# KiCad board AmigaPCI Mainboard.kicad_pcb
title: AmigaPCI; date: 2024-08-01; rev: 4.0
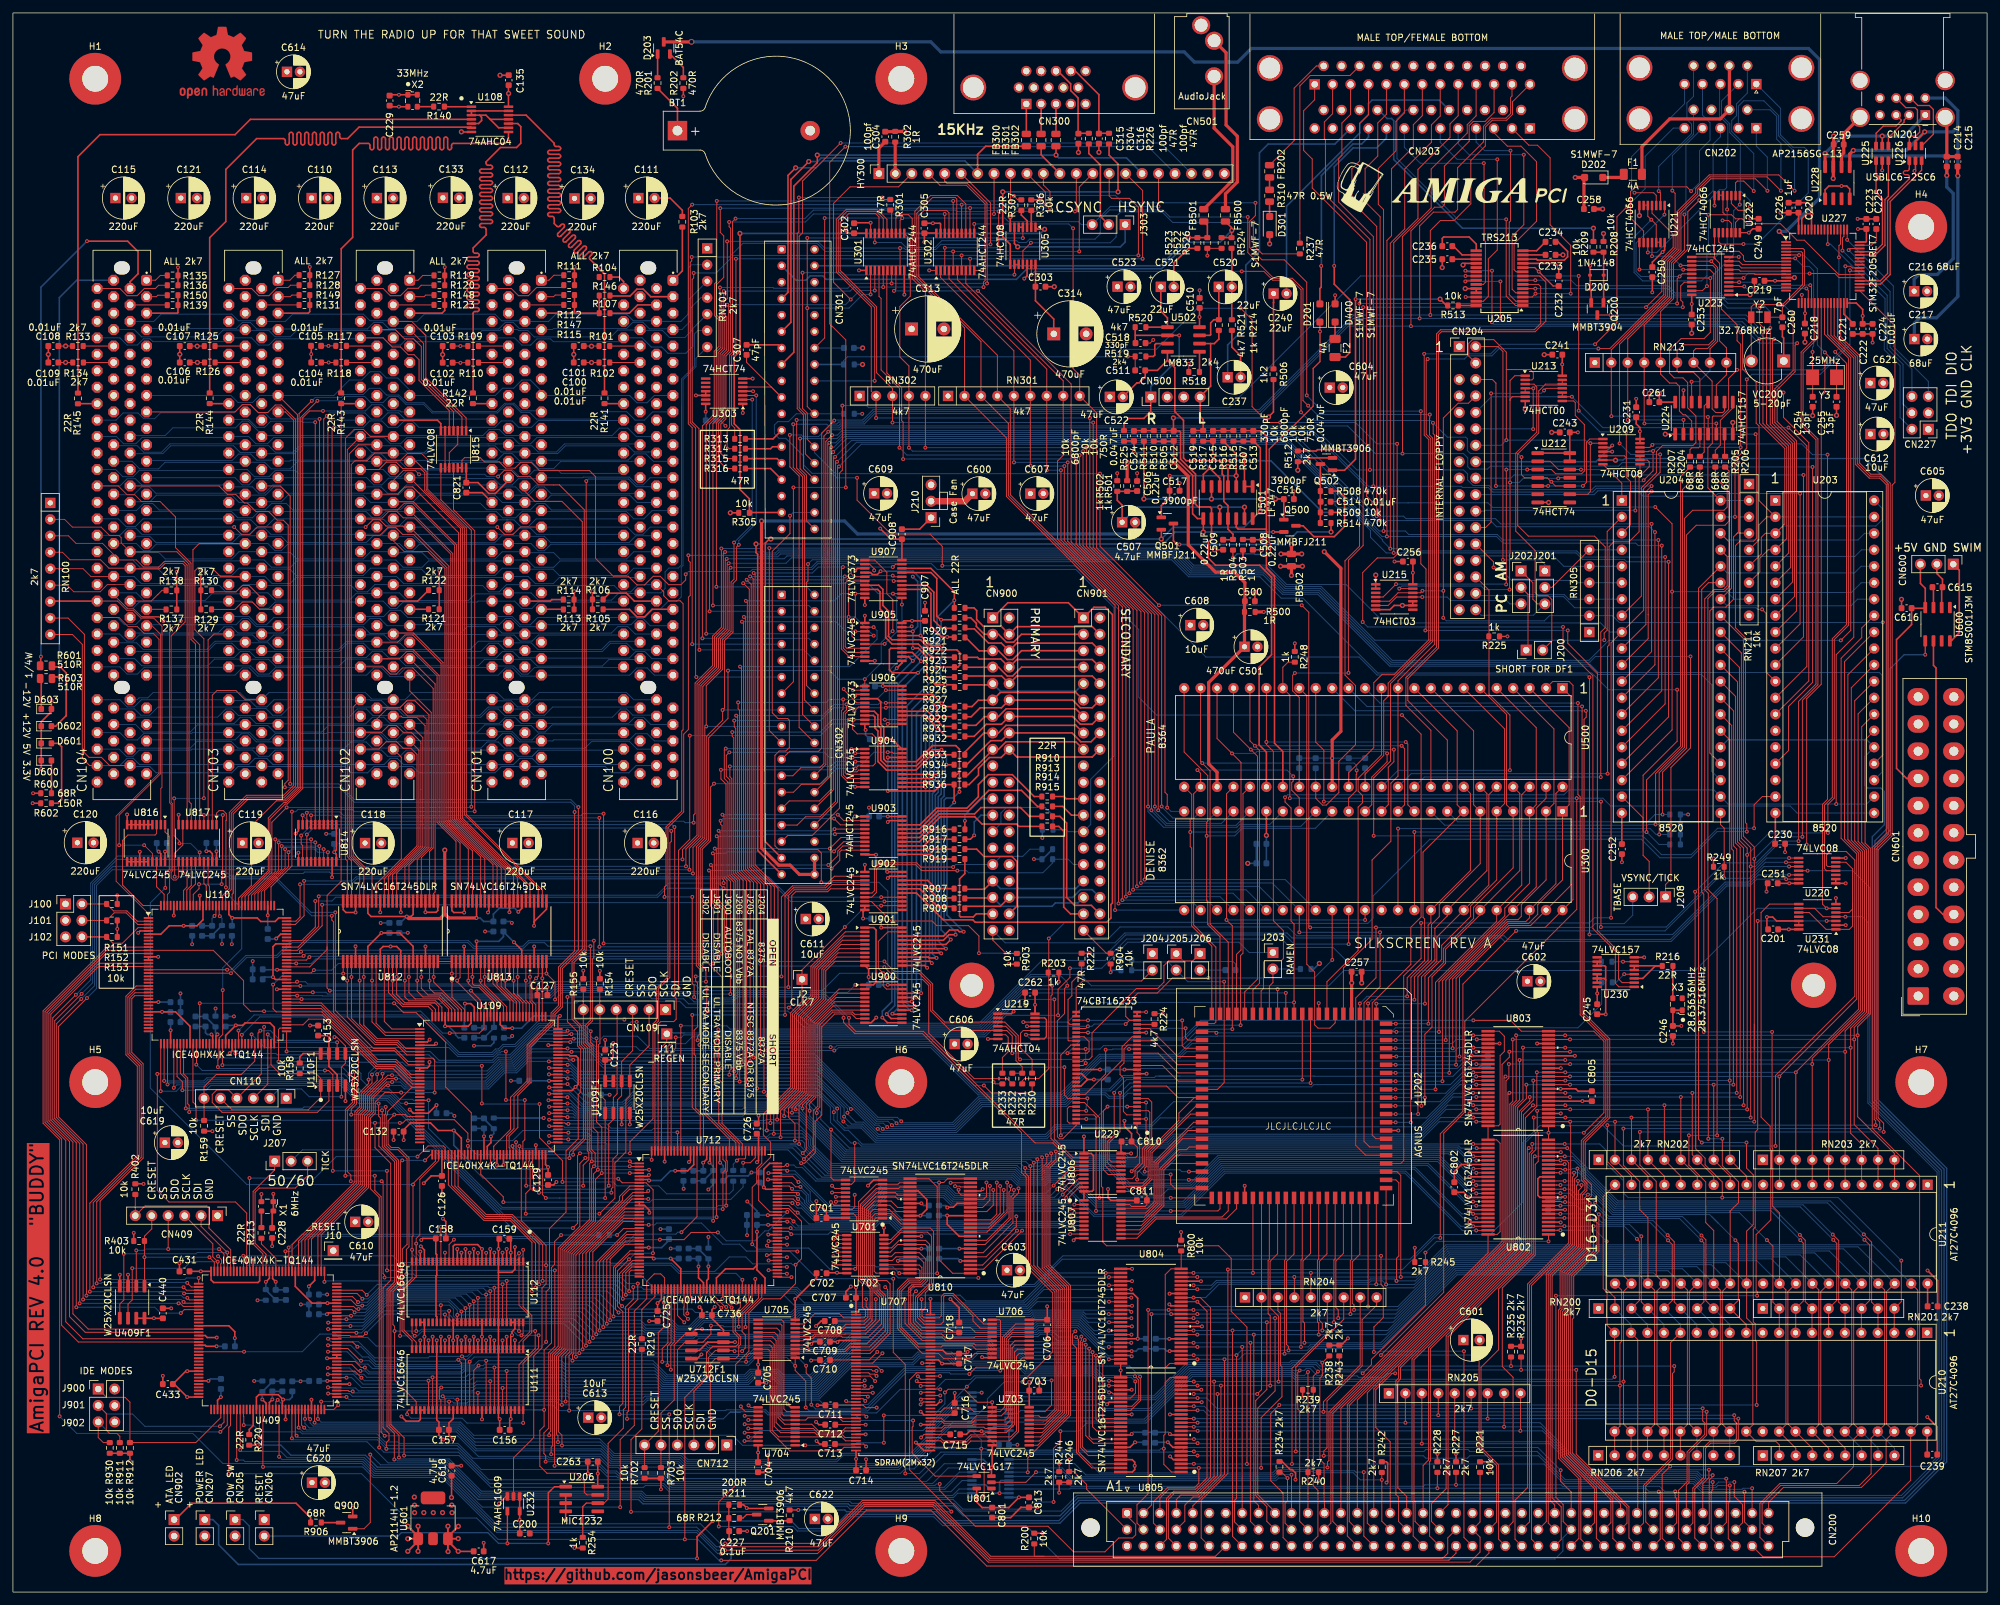
[diagram p0: board, top side]
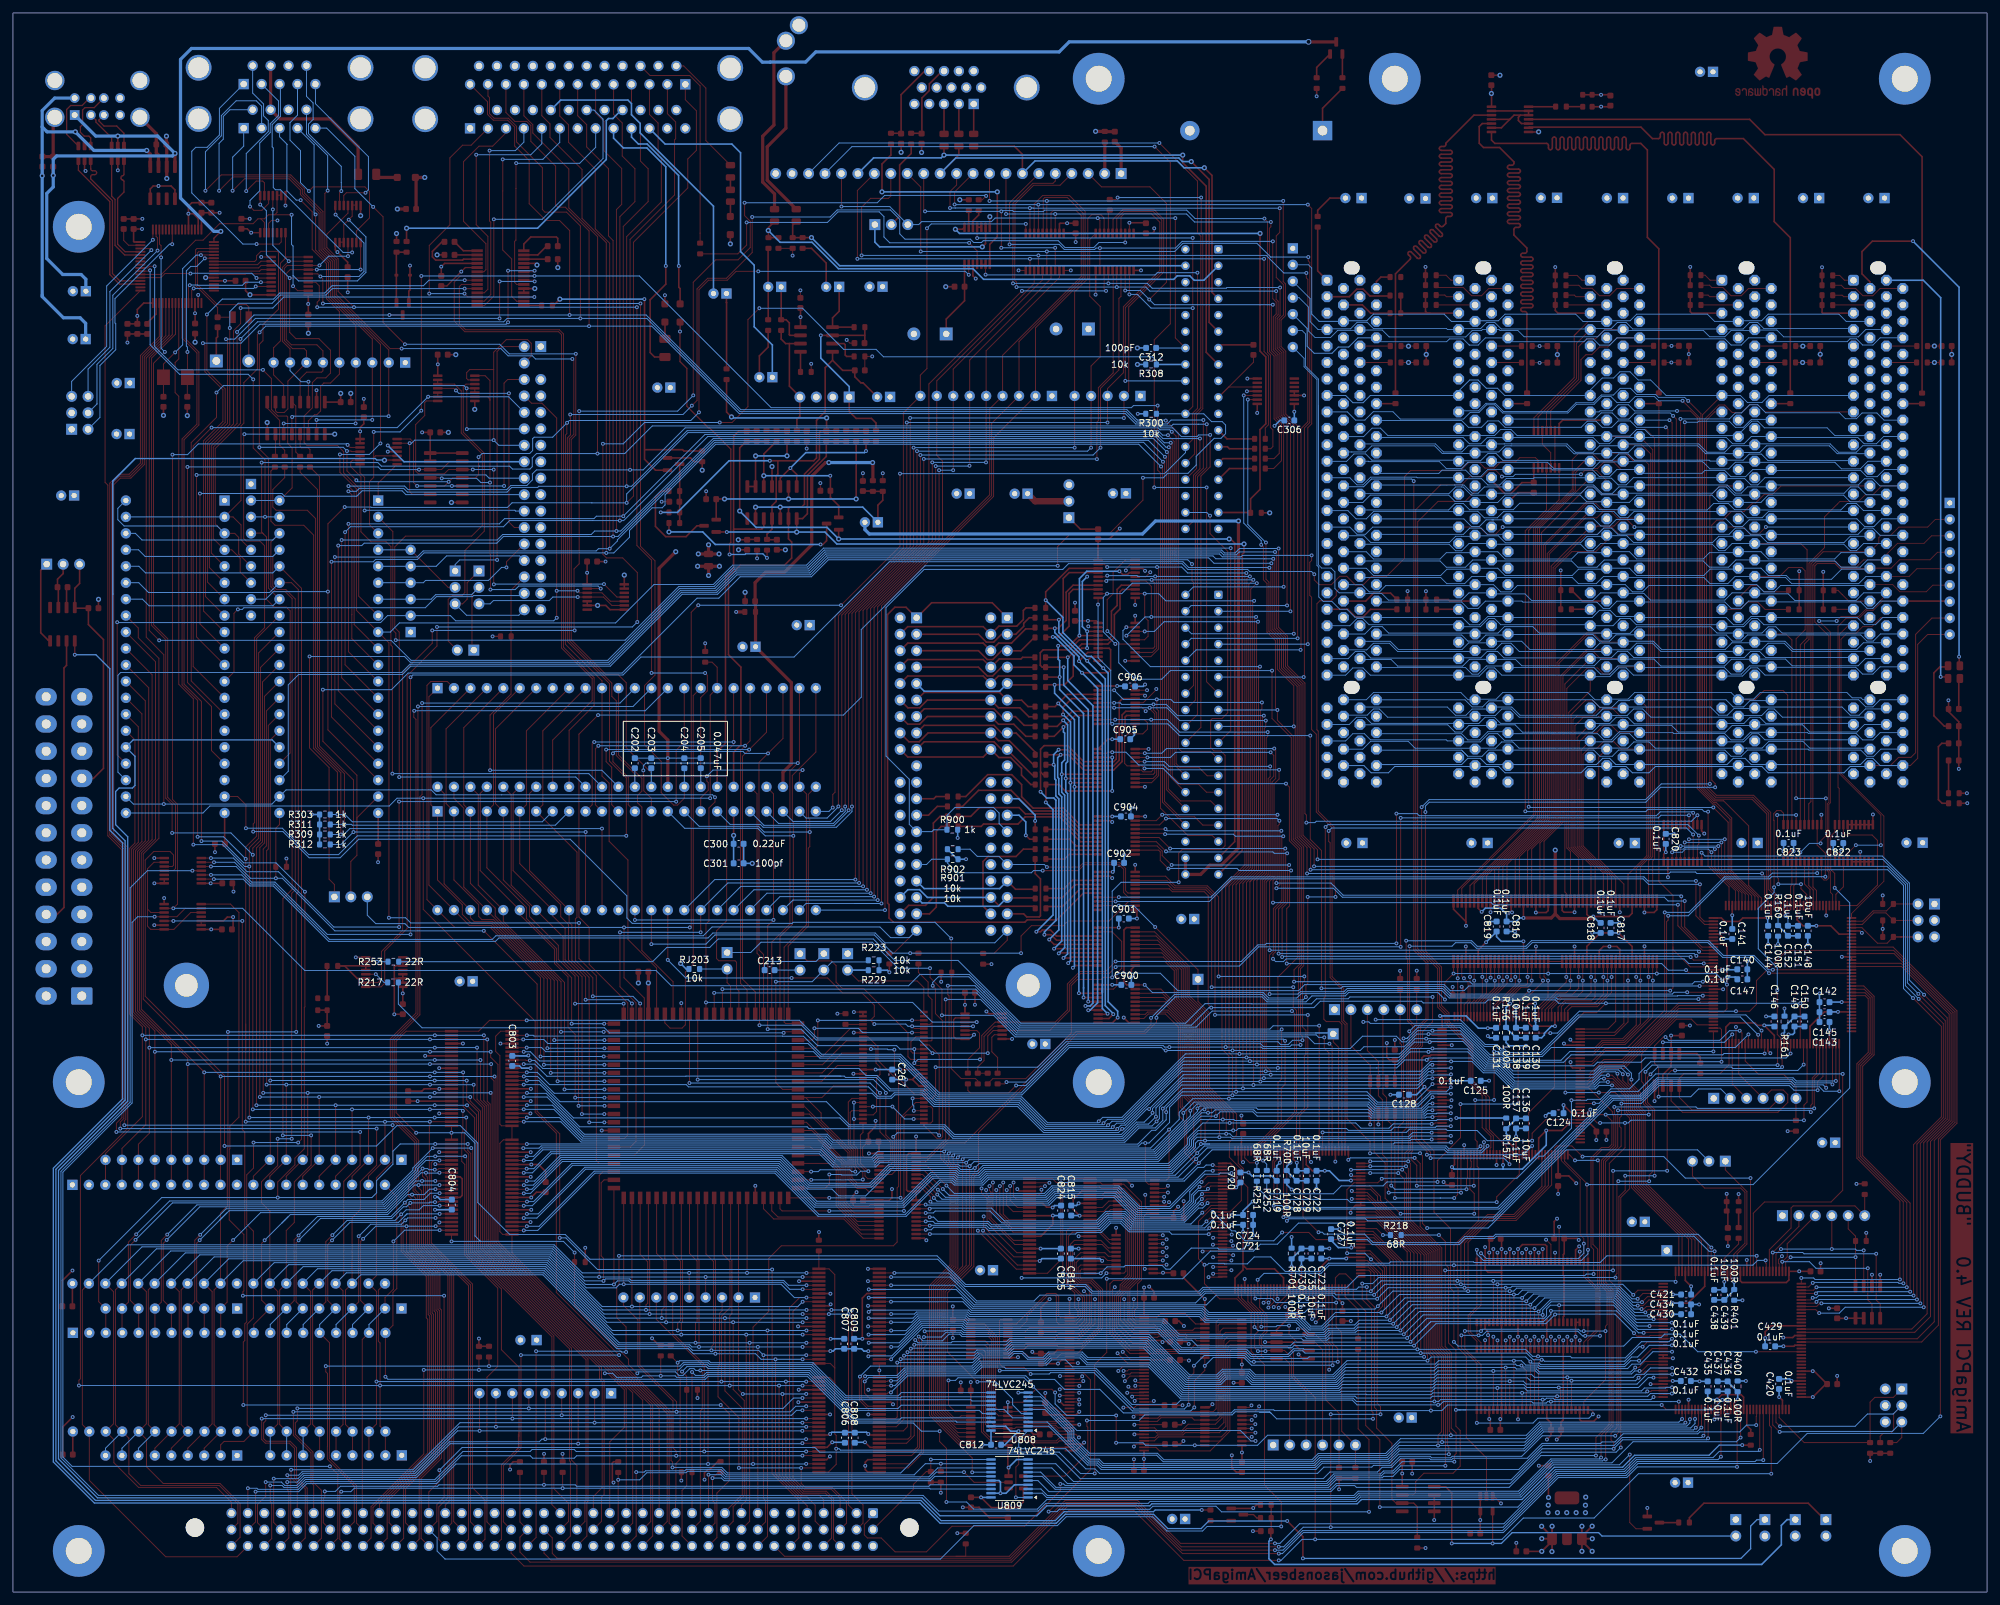
[diagram p1: board, bottom side, seen from below]

Outline 304.8 x 243.84 mm; copper layers: Top, In1.Cu, In2.Cu, In3.Cu, In4.Cu, Bottom. Coordinates in mm from the lower left corner of the outline.
Outline path: rectangle 0,243.84 304.8,0
Stack: Top 0.035mm / dielectric 0.0994mm FR4 er 4.5 / In1.Cu 0.0152mm / dielectric 0.55mm FR4 er 4.5 / In2.Cu 0.0152mm / dielectric 0.1088mm FR4 er 4.5 / In3.Cu 0.0152mm / dielectric 0.55mm FR4 er 4.5 / In4.Cu 0.0152mm / dielectric 0.0994mm FR4 er 4.5 / Bottom 0.035mm

## Placement (name value [footprint] x y rotation side)
BT1  Battery_Cell  [BatteryHolder_Keystone_103_1x20mm]  102.6 225.67 0 top
C100  0.01uF  [C_0603_1608Metric]  87.36 189.86 180 top
C101  0.01uF  [C_0603_1608Metric]  87.36 192.41 180 top
C102  0.01uF  [C_0603_1608Metric]  67.12 189.84 180 top
C103  0.01uF  [C_0603_1608Metric]  67.12 192.41 180 top
C104  0.01uF  [C_0603_1608Metric]  46.83 189.86 180 top
C105  0.01uF  [C_0603_1608Metric]  46.8 192.43 180 top
C106  0.01uF  [C_0603_1608Metric]  26.53 189.86 180 top
C107  0.01uF  [C_0603_1608Metric]  26.53 192.41 180 top
C108  0.01uF  [C_0603_1608Metric]  6.24 192.41 180 top
C109  0.01uF  [C_0603_1608Metric]  6.24 189.86 180 top
C110  220uF  [CP_Radial_D6.3mm_P2.50mm]  46.1 215.25 0 top
C111  220uF  [CP_Radial_D6.3mm_P2.50mm]  96.57 215.25 0 top
C112  220uF  [CP_Radial_D6.3mm_P2.50mm]  76.38 215.25 0 top
C113  220uF  [CP_Radial_D6.3mm_P2.50mm]  56.2 215.25 0 top
C114  220uF  [CP_Radial_D6.3mm_P2.50mm]  36.01 215.25 0 top
C115  220uF  [CP_Radial_D6.3mm_P2.50mm]  15.82 215.25 0 top
C116  220uF  [CP_Radial_D6.3mm_P2.50mm]  96.44 115.67 0 top
C117  220uF  [CP_Radial_D6.3mm_P2.50mm]  77.11 115.67 0 top
C118  220uF  [CP_Radial_D6.3mm_P2.50mm]  54.37 115.66 0 top
C119  220uF  [CP_Radial_D6.3mm_P2.50mm]  35.42 115.67 0 top
C120  220uF  [CP_Radial_D6.3mm_P2.50mm]  9.94 115.71 0 top
C121  220uF  [CP_Radial_D6.3mm_P2.50mm]  25.92 215.25 0 top
C123  0.1uF  [C_0603_1608Metric]  91.44 82.95 270 top
C124  0.1uF  [C_0603_1608Metric]  66.16 73.94 0 bottom
C125  0.1uF  [C_0603_1608Metric]  78.94 78.94 180 bottom
C126  0.1uF  [C_0603_1608Metric]  66.23 63.49 270 top
C127  0.1uF  [C_0603_1608Metric]  81.74 92.18 0 top
C128  0.1uF  [C_0603_1608Metric]  90.03 76.8 0 bottom
C129  0.1uF  [C_0603_1608Metric]  82.62 63.63 270 top
C130  0.1uF  [C_0603_1608Metric]  69.69 86.36 270 bottom
C131  0.1uF  [C_0603_1608Metric]  75.81 86.35 270 bottom
C132  0.1uF  [C_0603_1608Metric]  59.54 71.1 180 top
C133  220uF  [CP_Radial_D6.3mm_P2.50mm]  66.39 215.3 0 top
C134  220uF  [CP_Radial_D6.3mm_P2.50mm]  86.71 215.2 0 top
C135  0.1uF  [C_0603_1608Metric]  76.54 233.46 90 top
C136  10uF  [C_0603_1608Metric]  71.2 72.37 270 bottom
C137  0.1uF  [C_0603_1608Metric]  72.72 72.37 270 bottom
C138  10uF  [C_0603_1608Metric]  72.73 86.36 90 bottom
C139  0.1uF  [C_0603_1608Metric]  71.21 86.36 90 bottom
C140  0.1uF  [C_0603_1608Metric]  37.79 96.16 180 bottom
C141  0.1uF  [C_0603_1608Metric]  39.34 101.61 270 bottom
C142  0.1uF  [C_0603_1608Metric]  25.09 91.09 0 bottom
C143  0.1uF  [C_0603_1608Metric]  25.09 88.02 0 bottom
C144  0.1uF  [C_0603_1608Metric]  33.8 102.1 270 bottom
C145  0.1uF  [C_0603_1608Metric]  25.09 89.55 0 bottom
C146  0.1uF  [C_0603_1608Metric]  32.83 88.1 90 bottom
C147  0.1uF  [C_0603_1608Metric]  37.78 94.62 180 bottom
C148  0.1uF  [C_0603_1608Metric]  27.67 102.1 270 bottom
C149  10uF  [C_0603_1608Metric]  29.73 88.1 270 bottom
C150  0.1uF  [C_0603_1608Metric]  28.19 88.1 270 bottom
C151  10uF  [C_0603_1608Metric]  29.2 102.1 90 bottom
C152  0.1uF  [C_0603_1608Metric]  30.74 102.1 90 bottom
C153  0.1uF  [C_0603_1608Metric]  47.12 86.7 270 top
C156  0.1uF  [C_0603_1608Metric]  75.93 25.04 0 top
C157  0.1uF  [C_0603_1608Metric]  66.54 25.05 0 top
C158  0.1uF  [C_0603_1608Metric]  66.06 54.61 0 top
C159  0.1uF  [C_0603_1608Metric]  75.87 54.56 0 top
C200  0.1uF  [C_0603_1608Metric]  79.03 9.05 0 top
C201  0.1uF  [C_0603_1608Metric]  271.76 102.33 180 top
C202  0.047uF  [C_0603_1608Metric]  208.78 127.99 90 bottom
C203  0.047uF  [C_0603_1608Metric]  206.25 127.99 90 bottom
C204  0.047uF  [C_0603_1608Metric]  201.14 127.98 90 bottom
C205  0.047uF  [C_0603_1608Metric]  198.6 128 90 bottom
C213  0.1uF  [C_0603_1608Metric]  187.98 96.04 180 bottom
C214  0.1uF  [C_0603_1608Metric]  298.59 220.88 90 top
C215  0.1uF  [C_0603_1608Metric]  300.25 220.89 90 top
C216  68uF  [CP_Radial_D5.0mm_P2.00mm]  293.54 200.87 0 top
C217  68uF  [CP_Radial_D5.0mm_P2.00mm]  293.57 193.48 0 top
C218  0.1uF  [C_0603_1608Metric]  276.68 195.1 270 top
C219  0.1uF  [C_0603_1608Metric]  269.67 202.48 180 top
C220  0.1uF  [C_0603_1608Metric]  275.69 213.76 90 top
C221  0.1uF  [C_0603_1608Metric]  285.6 195.05 270 top
C222  0.1uF  [C_0603_1608Metric]  284.06 195.04 270 top
C223  0.1uF  [C_0603_1608Metric]  287.7 211.25 90 top
C224  0.01uF  [C_0603_1608Metric]  287.12 195.05 270 top
C225  0.1uF  [C_0603_1608Metric]  286.17 211.25 270 top
C226  1uF  [C_0603_1608Metric]  274.17 213.76 270 top
C227  0.1uF  [C_0603_1608Metric]  111.35 9.41 0 top
C228  0.1uF  [C_0603_1608Metric]  40.02 55.45 270 top
C229  0.1uF  [C_0603_1608Metric]  58.16 230.3 270 top
C230  0.1uF  [C_0603_1608Metric]  272.84 115.54 0 top
C231  0.1uF  [C_0603_1608Metric]  250.62 182.2 90 top
C232  0.1uF  [C_0603_1608Metric]  238.67 202.45 270 top
C233  0.1uF  [C_0603_1608Metric]  237.4 206.48 0 top
C234  0.1uF  [C_0603_1608Metric]  237.4 208.49 180 top
C235  0.1uF  [C_0603_1608Metric]  221.46 205.82 180 top
C236  0.1uF  [C_0603_1608Metric]  221.46 207.83 180 top
C237  22uF  [CP_Radial_D5.0mm_P2.00mm]  187.55 187.59 0 top
C238  0.1uF  [C_0603_1608Metric]  296.39 44.12 0 top
C239  0.1uF  [C_0603_1608Metric]  296.33 21.23 0 top
C240  22uF  [CP_Radial_D5.0mm_P2.00mm]  194.64 200.51 0 top
C241  0.1uF  [C_0603_1608Metric]  238.45 191.07 0 top
C243  0.1uF  [C_0603_1608Metric]  239.6 179.07 0 top
C245  0.1uF  [C_0603_1608Metric]  244.6 90 270 top
C246  0.1uF  [C_0603_1608Metric]  256.3 86.64 270 top
C249  0.1uF  [C_0603_1608Metric]  269.53 211.28 90 top
C250  0.1uF  [C_0603_1608Metric]  253.12 203.82 270 top
C251  0.1uF  [C_0603_1608Metric]  271.7 109.45 180 top
C252  0.1uF  [C_0603_1608Metric]  248.42 114.73 90 top
C253  0.1uF  [C_0603_1608Metric]  259.2 196.49 270 top
C254  13pF  [C_0603_1608Metric]  277.88 183.79 270 top
C255  13pF  [C_0603_1608Metric]  281.56 183.79 270 top
C256  0.1uF  [C_0603_1608Metric]  215.38 159.13 0 top
C257  0.1uF  [C_0603_1608Metric]  207.46 95.79 0 top
C258  0.1uF  [C_0603_1608Metric]  243.33 213.56 0 top
C259  0.1uF  [C_0603_1608Metric]  281.89 223.53 0 top
C260  7pF  [C_0603_1608Metric]  273.2 196.07 270 top
C261  0.1uF  [C_0603_1608Metric]  253.43 183.75 0 top
C262  0.1uF  [C_0603_1608Metric]  157.04 92.56 180 top
C263  0.1uF  [C_0603_1608Metric]  89.53 20.12 180 top
C267  0.1uF  [C_0603_1608Metric]  169.04 79.91 270 bottom
C300  0.22uF  [C_0603_1608Metric]  192.75 115.54 180 bottom
C301  100pf  [C_0603_1608Metric]  192.75 112.53 180 bottom
C302  0.1uF  [C_0603_1608Metric]  129.87 210.59 90 top
C303  0.1uF  [C_0603_1608Metric]  158.64 201.57 0 top
C304  100pf  [C_0603_1608Metric]  134.68 224.73 270 top
C305  0.1uF  [C_0603_1608Metric]  140.73 210.59 90 top
C306  0.1uF  [C_0603_1608Metric]  107.74 180.92 0 bottom
C307  47pF  [C_0603_1608Metric]  113.27 191.81 90 top
C312  100pF  [C_0603_1608Metric]  129.07 192.11 0 bottom
C313  470uF  [CP_Radial_D10.0mm_P5.00mm]  138.74 195.04 0 top
C314  470uF  [CP_Radial_D10.0mm_P5.00mm]  160.7 194.28 0 top
C315  100pf  [C_0603_1608Metric]  164.51 224.44 270 top
C316  100pf  [C_0603_1608Metric]  167.67 224.44 270 top
C420  0.1uF  [C_0603_1608Metric]  32.11 32.13 90 bottom
C421  0.1uF  [C_0603_1608Metric]  46.47 45.94 0 bottom
C429  0.1uF  [C_0603_1608Metric]  33.5 37.94 0 bottom
C430  0.1uF  [C_0603_1608Metric]  46.47 42.9 180 bottom
C431  0.1uF  [C_0603_1608Metric]  26.49 49.52 180 top
C432  0.1uF  [C_0603_1608Metric]  46.5 32.59 180 bottom
C433  0.1uF  [C_0603_1608Metric]  23.91 32.11 180 top
C434  0.1uF  [C_0603_1608Metric]  46.47 44.42 180 bottom
C435  0.1uF  [C_0603_1608Metric]  43.13 31.76 90 bottom
C436  0.1uF  [C_0603_1608Metric]  40.05 31.76 270 bottom
C437  10uF  [C_0603_1608Metric]  41.59 31.76 270 bottom
C438  0.1uF  [C_0603_1608Metric]  42.14 45.88 90 bottom
C439  10uF  [C_0603_1608Metric]  40.57 45.88 90 bottom
C440  0.1uF  [C_0603_1608Metric]  23.15 43.05 270 top
C500  0.1uF  [C_0603_1608Metric]  190.99 153 0 top
C501  470uF  [CP_Radial_D5.0mm_P2.00mm]  190.15 145.97 0 top
C506  0.22uF  [C_0603_1608Metric]  173.57 170.79 90 top
C507  4.7uF  [CP_Radial_D5.0mm_P2.00mm]  171.25 165.19 0 top
C508  0.22uF  [C_0603_1608Metric]  191.44 161.71 270 top
C509  0.22uF  [C_0603_1608Metric]  186.85 161.72 90 top
C510  0.1uF  [C_0603_1608Metric]  183.22 199.06 90 top
C511  0.1uF  [C_0603_1608Metric]  174.05 188.65 0 top
C512  0.047uF  [C_0603_1608Metric]  179.22 178.52 90 top
C513  0.047uF  [C_0603_1608Metric]  191.5 178.54 90 top
C514  0.01uF  [C_0603_1608Metric]  202.68 168.37 0 top
C515  6800pF  [C_0603_1608Metric]  185.29 178.54 90 top
C516  3900pF  [C_0603_1608Metric]  197 168.76 0 top
C517  3900pF  [C_0603_1608Metric]  179.36 170.06 0 top
C518  330pF  [C_0603_1608Metric]  174.1 192.86 180 top
C519  330pF  [C_0603_1608Metric]  182.24 178.54 90 top
C520  22uF  [CP_Radial_D5.0mm_P2.00mm]  186.19 201.54 0 top
C521  22uF  [CP_Radial_D5.0mm_P2.00mm]  177.23 201.54 0 top
C522  47uF  [CP_Radial_D5.0mm_P2.00mm]  169.37 184.55 0 top
C523  47uF  [CP_Radial_D5.0mm_P2.00mm]  170.54 201.57 0 top
C524  6800pF  [C_0603_1608Metric]  173.08 178.52 90 top
C600  47uF  [CP_Radial_D5.0mm_P2.00mm]  148.14 169.61 0 top
C601  220uF  [CP_Radial_D6.3mm_P2.50mm]  223.95 38.91 0 top
C602  47uF  [CP_Radial_D5.0mm_P2.00mm]  233.83 94.31 0 top
C603  47uF  [CP_Radial_D5.0mm_P2.00mm]  153.48 49.7 0 top
C604  47uF  [CP_Radial_D5.0mm_P2.00mm]  203.31 185.99 0 top
C605  47uF  [CP_Radial_D5.0mm_P2.00mm]  295.35 169.32 0 top
C606  47uF  [CP_Radial_D5.0mm_P2.00mm]  145.4 84.63 0 top
C607  47uF  [CP_Radial_D5.0mm_P2.00mm]  157.09 169.62 0 top
C608  10uF  [CP_Radial_D5.0mm_P2.00mm]  181.78 149.31 0 top
C609  47uF  [CP_Radial_D5.0mm_P2.00mm]  132.96 169.65 0 top
C610  47uF  [CP_Radial_D5.0mm_P2.00mm]  52.84 57.17 0 top
C611  10uF  [CP_Radial_D5.0mm_P2.00mm]  122.41 103.93 0 top
C612  10uF  [CP_Radial_D5.0mm_P2.00mm]  286.8 178.82 0 top
C613  10uF  [CP_Radial_D5.0mm_P2.00mm]  88.83 26.94 0 top
C614  47uF  [CP_Radial_D5.0mm_P2.00mm]  42.31 234.75 0 top
C615  1uF  [C_0603_1608Metric]  297.14 155.17 0 top
C616  0.1uF  [C_0603_1608Metric]  292.38 151.93 180 top
C617  4.7uF  [C_0603_1608Metric]  71.91 6.29 180 top
C618  4.7uF  [C_0603_1608Metric]  67.72 18.74 270 top
C619  10uF  [CP_Radial_D5.0mm_P2.00mm]  23.46 69.4 0 top
C620  47uF  [CP_Radial_D5.0mm_P2.00mm]  46.17 16.9 0 top
C621  47uF  [CP_Radial_D5.0mm_P2.00mm]  286.77 186.69 0 top
C622  47uF  [CP_Radial_D5.0mm_P2.00mm]  123.82 11.29 0 top
C701  0.1uF  [C_0603_1608Metric]  124.82 57.77 180 top
C702  0.1uF  [C_0603_1608Metric]  124.85 49.22 180 top
C703  0.1uF  [C_0603_1608Metric]  157.69 31.11 0 top
C704  0.1uF  [C_0603_1608Metric]  115.04 19.29 270 top
C705  0.1uF  [C_0603_1608Metric]  115.06 33.08 270 top
C706  0.1uF  [C_0603_1608Metric]  159.69 41.27 270 top
C707  0.1uF  [C_0603_1608Metric]  129.38 45.46 180 top
C708  0.1uF  [C_0603_1608Metric]  126.12 41.85 180 top
C709  0.1uF  [C_0603_1608Metric]  125.37 38.66 180 top
C710  0.1uF  [C_0603_1608Metric]  125.38 35.84 180 top
C711  0.1uF  [C_0603_1608Metric]  126.22 28.84 180 top
C712  0.1uF  [C_0603_1608Metric]  126.19 25.84 180 top
C713  0.1uF  [C_0603_1608Metric]  126.15 22.85 180 top
C714  0.1uF  [C_0603_1608Metric]  130.94 18.83 0 top
C715  0.1uF  [C_0603_1608Metric]  145.48 24.35 0 top
C716  0.1uF  [C_0603_1608Metric]  145.41 28.41 90 top
C717  0.1uF  [C_0603_1608Metric]  146.08 36.05 270 top
C718  0.1uF  [C_0603_1608Metric]  146.1 40.85 90 top
C719  0.1uF  [C_0603_1608Metric]  109.68 64.27 270 bottom
C720  0.1uF  [C_0603_1608Metric]  115.29 64.01 90 bottom
C721  0.1uF  [C_0603_1608Metric]  114.1 56.7 180 bottom
C722  0.1uF  [C_0603_1608Metric]  103.53 64.27 270 bottom
C723  0.1uF  [C_0603_1608Metric]  102.8 52.27 90 bottom
C724  0.1uF  [C_0603_1608Metric]  114.1 58.22 180 bottom
C725  0.1uF  [C_0603_1608Metric]  99.53 42.62 270 top
C726  0.1uF  [C_0603_1608Metric]  114.85 71.54 90 top
C727  0.1uF  [C_0603_1608Metric]  101.28 55.27 90 bottom
C728  0.1uF  [C_0603_1608Metric]  106.59 64.27 90 bottom
C729  10uF  [C_0603_1608Metric]  105.05 64.27 90 bottom
C730  0.1uF  [C_0603_1608Metric]  105.85 52.27 270 bottom
C735  10uF  [C_0603_1608Metric]  104.32 52.27 270 bottom
C736  0.1uF  [C_0603_1608Metric]  107.15 42.75 0 top
C801  0.1uF  [C_0603_1608Metric]  151.19 12.27 270 top
C802  0.1uF  [C_0603_1608Metric]  222.55 62.52 270 top
C803  0.1uF  [C_0603_1608Metric]  227.71 82.01 270 bottom
C804  0.1uF  [C_0603_1608Metric]  237.04 59.82 90 bottom
C805  0.1uF  [C_0603_1608Metric]  243.78 76.57 90 top
C806  0.1uF  [C_0603_1608Metric]  176.34 23.82 90 bottom
C807  0.1uF  [C_0603_1608Metric]  176.45 38.33 270 bottom
C808  0.1uF  [C_0603_1608Metric]  174.82 23.82 90 bottom
C809  0.1uF  [C_0603_1608Metric]  174.92 38.33 270 bottom
C810  0.1uF  [C_0603_1608Metric]  171.94 69.58 0 top
C811  0.1uF  [C_0603_1608Metric]  174.31 60.49 0 top
C812  0.1uF  [C_0603_1608Metric]  153.01 22.74 180 bottom
C813  0.1uF  [C_0603_1608Metric]  156.88 13.85 270 top
C814  0.1uF  [C_0603_1608Metric]  141.46 52.26 270 bottom
C815  0.1uF  [C_0603_1608Metric]  141.41 58.91 270 bottom
C816  0.1uF  [C_0603_1608Metric]  74.18 102.77 270 bottom
C817  0.1uF  [C_0603_1608Metric]  59.65 102.55 270 bottom
C818  0.1uF  [C_0603_1608Metric]  58.12 102.55 90 bottom
C819  0.1uF  [C_0603_1608Metric]  75.73 102.77 90 bottom
C820  0.1uF  [C_0603_1608Metric]  49.6 116.3 270 bottom
C821  0.1uF  [C_0603_1608Metric]  69.99 170.54 90 top
C822  0.1uF  [C_0603_1608Metric]  22.97 115.65 0 bottom
C823  0.1uF  [C_0603_1608Metric]  30.65 115.67 0 bottom
C824  0.1uF  [C_0603_1608Metric]  142.97 58.91 270 bottom
C825  0.1uF  [C_0603_1608Metric]  143 52.26 270 bottom
C900  0.1uF  [C_0603_1608Metric]  132.9 93.76 180 bottom
C901  0.1uF  [C_0603_1608Metric]  133.29 104 180 bottom
C902  0.1uF  [C_0603_1608Metric]  134.01 112.6 180 bottom
C904  0.1uF  [C_0603_1608Metric]  132.96 119.77 180 bottom
C905  0.1uF  [C_0603_1608Metric]  133.06 131.7 180 bottom
C906  0.1uF  [C_0603_1608Metric]  132.32 139.85 180 bottom
C907  0.1uF  [C_0603_1608Metric]  140.82 150.74 90 top
C908  0.1uF  [C_0603_1608Metric]  137.25 163.35 90 top
CN100  PCI32-5V  [PCI-5V]  98.09 164.45 0 top
CN101  PCI32-5V  [PCI-5V]  77.77 164.45 0 top
CN102  PCI32-5V  [PCI-5V]  57.45 164.45 0 top
CN103  PCI32-5V  [PCI-5V]  37.13 164.45 0 top
CN104  PCI32-5V  [PCI-5V]  16.81 164.45 0 top
CN109  SPI  [PinHeader_1x06_P2.54mm_Vertical]  100.76 89.94 270 top
CN110  SPI  [PinHeader_1x06_P2.54mm_Vertical]  42.2 76.24 270 top
CN200  DIN41612_03x40  [DIN41612_C_3x40_Female_Vertical_THT]  271.07 12.19 270 top
CN201  USB_A_Stacked  [USB_A_Wuerth_61400826021_Horizontal_Stacked]  295.27 228.08 180 top
CN202  DB9_Male_Stack  [DSUB-9_Male_Stack]  263.59 243.88 180 top
CN203  DB25_Stack_FemaleAndMale  [DSUB-25_Stack_Female_Bottom_Male_Top]  217.62 243.84 180 top
CN204  INTERNAL FLOPPY  [Floppy_PinHeader_2x17_P2.54mm]  223.31 192.32 0 top
CN205  POW SW  [PinHeader_1x02_P2.54mm_Vertical]  34.3 11.19 0 top
CN206  RESET  [PinHeader_1x02_P2.54mm_Vertical]  38.8 11.19 0 top
CN207  POWER LED  [PinHeader_1x02_P2.54mm_Vertical]  29.61 11.19 0 top
CN227  JTAG/SWD  [PinHeader_2x03_P2.54mm_Vertical]  295.74 179.55 180 top
CN300  DB15_Female_HighDensity  [DSUB-15-HD_Female_Horizontal_P2.29x1.98mm_EdgePinOffset8.35mm_Housed_MountingHolesOffset10.89mm]  161.03 243.75 180 top
CN301  Video-Slot  [2x18_P2.54mm_Horizontal]  121.1 184.61 270 top
CN302  Video-Slot  [2x18_P2.54mm_Horizontal]  121.1 131.26 270 top
CN409  SPI  [PinHeader_1x06_P2.54mm_Vertical]  31.59 58.12 270 top
CN500  DSP/DVD (RGGL)  [PinHeader_1x04_P2.54mm_Vertical]  175.68 184.53 90 top
CN501  AudioJack  [Jack_3.5mm_CUI_SJ1-3533NG_Horizontal_CircularHoles]  183.46 241.95 0 top
CN600  Conn_01x03_Pin  [PinHeader_1x03_P2.54mm_Vertical]  299.59 158.72 270 top
CN601  ATX-24  [Molex_Mini-Fit_Jr_5566-24A_2x12_P4.20mm_Vertical]  294.17 92.04 90 top
CN712  SPI  [PinHeader_1x06_P2.54mm_Vertical]  110.22 22.7 270 top
CN900  PRIMARY IDE  [ATA_Header_2x20_P2.54mm]  151.28 150.44 0 top
CN901  SECONDARY IDE  [ATA_Header_2x20_P2.54mm]  165.28 150.44 0 top
CN902  ATA LED  [PinHeader_1x02_P2.54mm_Vertical]  24.88 11.19 0 top
D200  1N4148  [D_SOD-323]  244.55 203.35 180 top
D201  S1MWF-7  [D_SOD-123F]  201.79 197.51 90 top
D202  S1MWF-7  [D_SOD-123F]  244.06 218.44 180 top
D203  BAT54C  [SOT-23]  100.49 238.43 90 top
D301  S1MWF-7  [D_SOD-123F]  194.04 211.01 270 top
D400  S1MWF-7  [D_SOD-123F]  204.14 197.51 90 top
D600  LED  [LED_0603_1608Metric]  5.15 128.41 0 top
D601  LED  [LED_0603_1608Metric]  5.15 131.06 0 top
D602  LED  [LED_0603_1608Metric]  5.15 133.71 0 top
D603  LED  [LED_0603_1608Metric]  5.15 136.36 0 top
F1  4A  [Fuse_1206_3216Metric]  250.11 218.92 0 top
F2  4A  [Fuse_1206_3216Metric]  204.13 192.11 270 top
FB202  80R  [C_0805_2012Metric]  194.02 219.39 90 top
FB300  80R  [C_0805_2012Metric]  156.46 224.22 270 top
FB301  80R  [C_0805_2012Metric]  158.75 224.22 270 top
FB302  80R  [C_0805_2012Metric]  161.04 224.22 270 top
FB500  80R  [C_0805_2012Metric]  187.21 212.59 90 top
FB501  80R  [C_0805_2012Metric]  183.86 212.59 90 top
FB502  80R  [C_0805_2012Metric]  197.4 159.35 270 top
G***  LOGO  [Mug]  207.43 217.38 0 top
G***#2  LOGO  [AmigaPCILogo]  226.45 216.41 0 top
G***#3  LOGO  [APCI_JUMPERS]  112.21 91.09 270 top
H1  MountingHole_Pad  [MountingHole_4mm_Pad]  12.7 233.68 0 top
H2  MountingHole_Pad  [MountingHole_4mm_Pad]  91.44 233.68 0 top
H3  MountingHole_Pad  [MountingHole_4mm_Pad]  137.16 233.68 0 top
H4  MountingHole_Pad  [MountingHole_4mm_Pad]  294.64 210.82 0 top
H5  MountingHole_Pad  [MountingHole_4mm_Pad]  12.7 78.74 0 top
H6  MountingHole_Pad  [MountingHole_4mm_Pad]  137.16 78.74 0 top
H7  MountingHole_Pad  [MountingHole_4mm_Pad]  294.64 78.74 0 top
H8  MountingHole_Pad  [MountingHole_4mm_Pad]  12.7 6.35 0 top
H9  MountingHole_Pad  [MountingHole_4mm_Pad]  137.16 6.35 0 top
H10  MountingHole_Pad  [MountingHole_4mm_Pad]  294.64 6.35 0 top
H11  MountingHole_Pad  [MountingHole_3.5mm_Pad]  148.02 93.69 0 top
H12  MountingHole_Pad  [MountingHole_3.5mm_Pad]  278.02 93.69 0 top
HY300  VIDIOT  [PinSocket_1x22_P2.54mm_Vertical]  133.7 219.04 90 top
J2  CLK7  [PinHeader_1x01_P2.54mm_Vertical]  121.83 94.62 0 top
J10  _RESET  [PinHeader_1x01_P2.54mm_Vertical]  49.45 52.72 0 top